# Altium PCB main.PcbDoc
Units mm, origin at the board's own origin, x right, y up, seen from the top; angles counter-clockwise.
Board outline 80 x 70 mm, 2 copper layers (01, 02), stack 1.57 mm thick; 88 components, 58 nets, 259 pads, 156 vias.
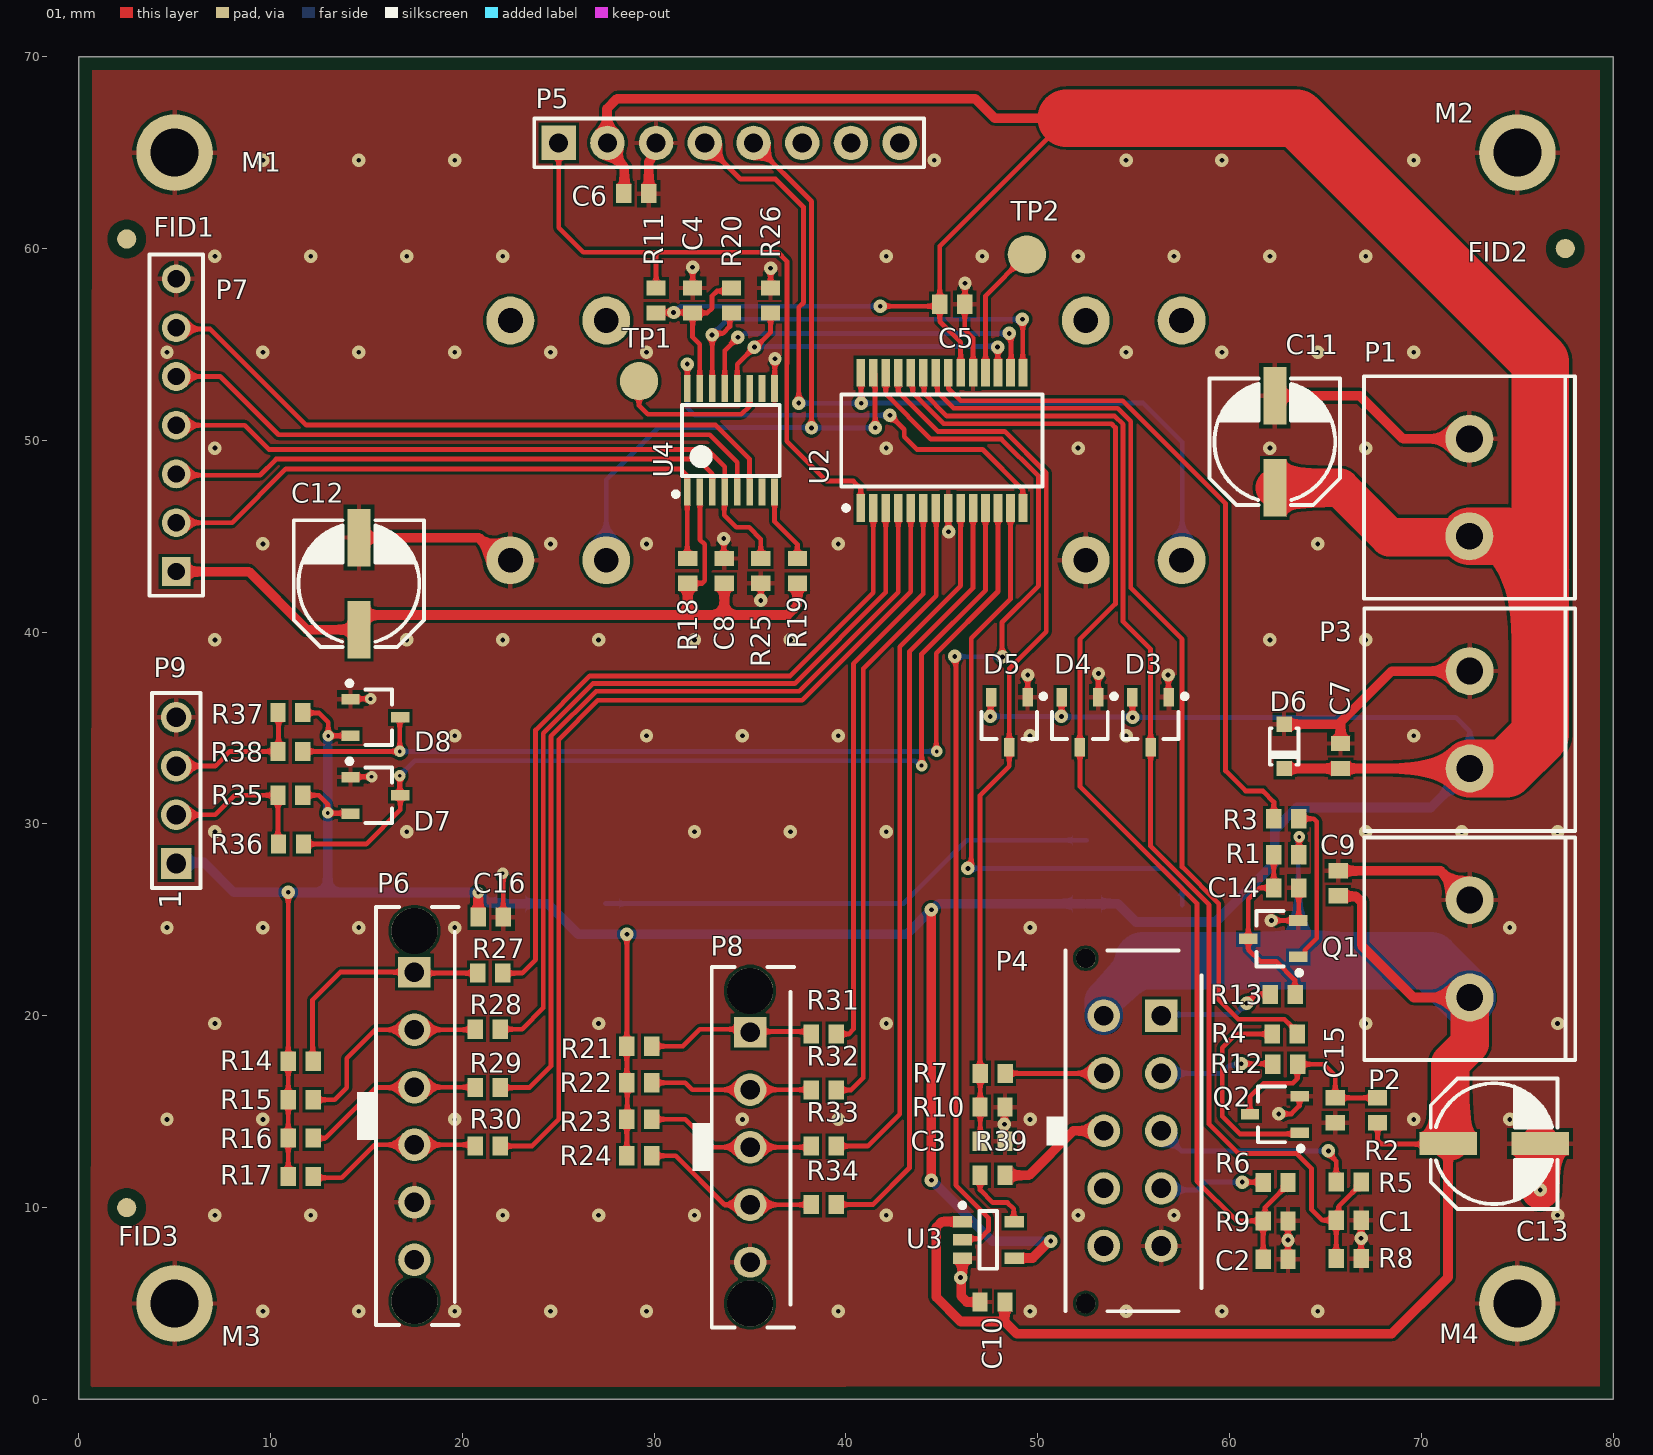
[diagram p0: 01 view]
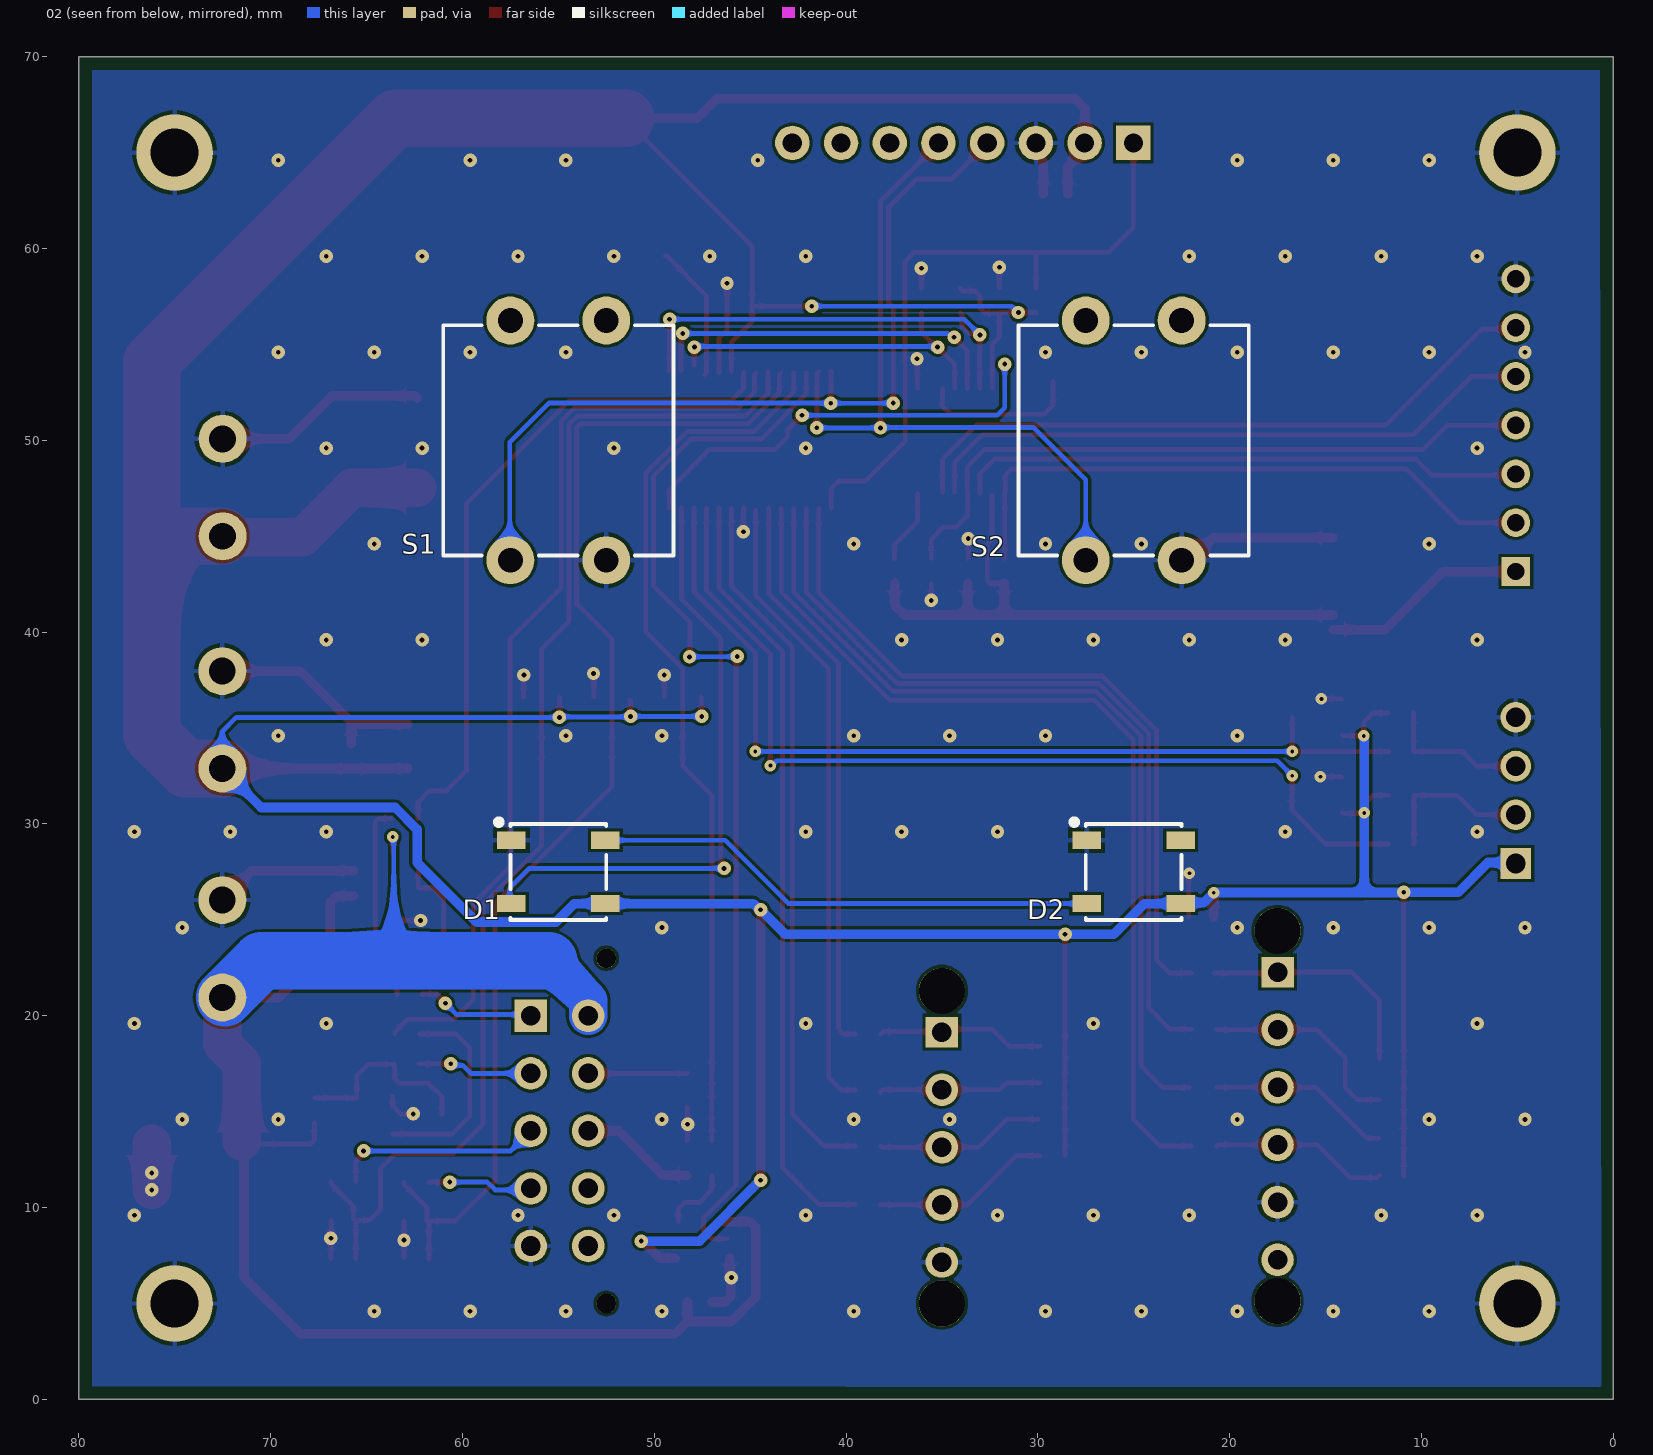
[diagram p1: 02 view, seen from below]
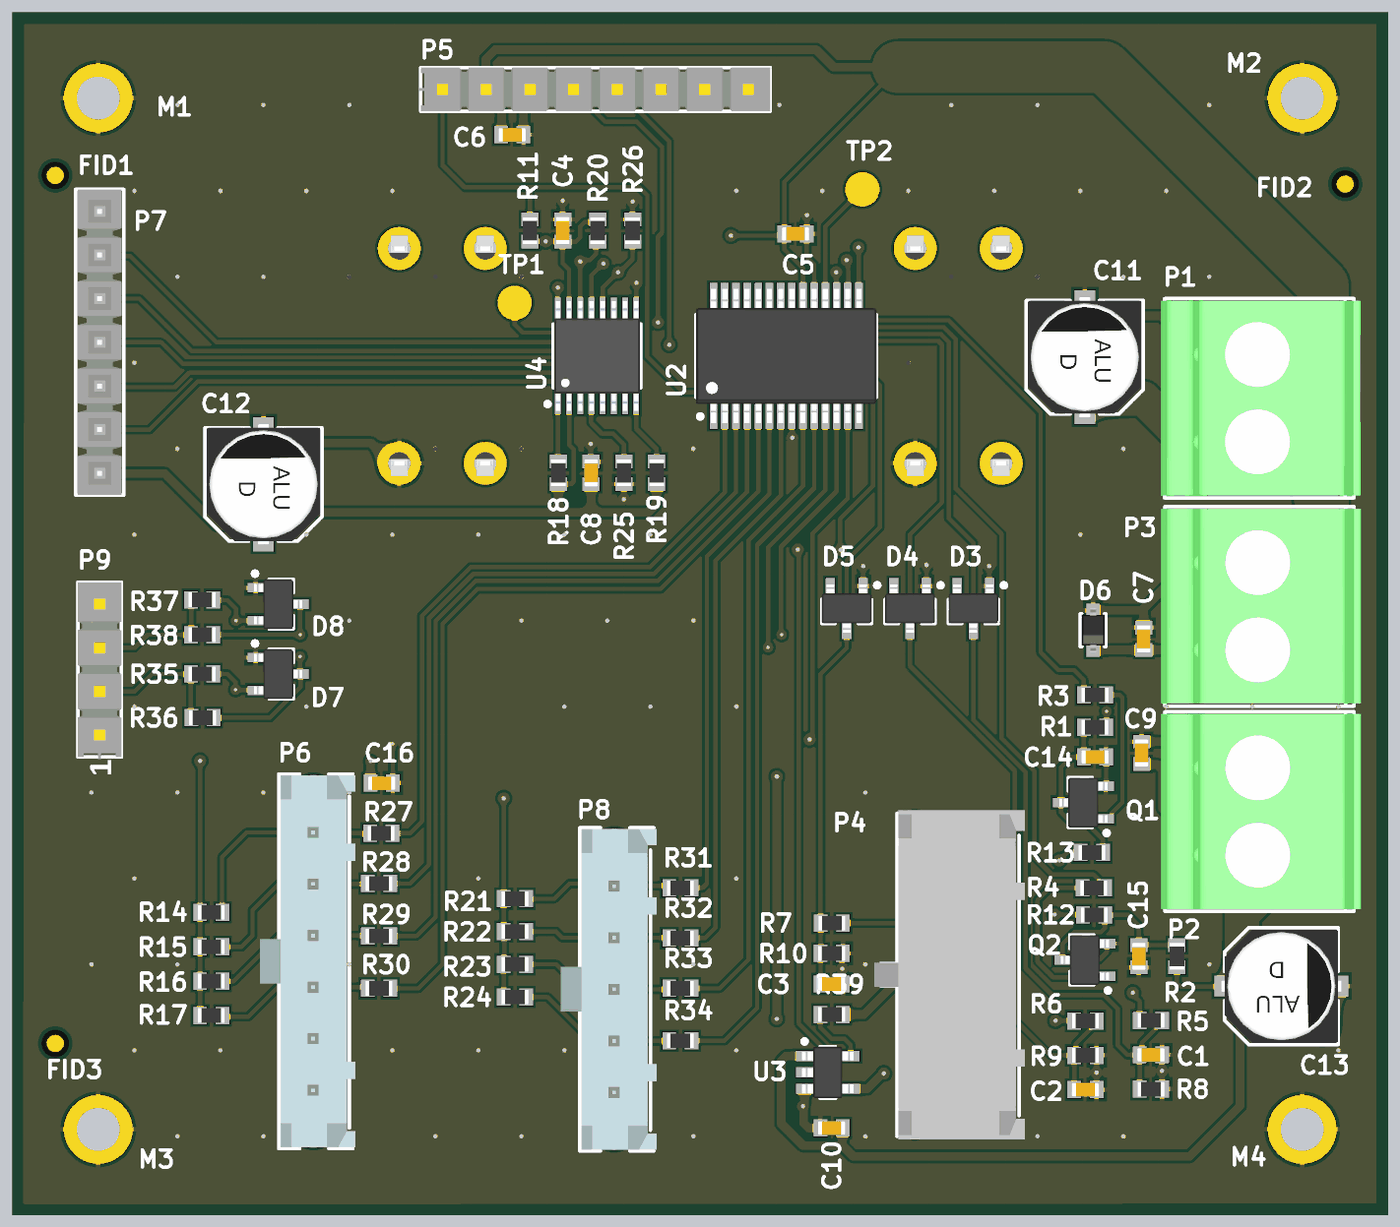
[diagram p2: 3D render of the assembled board from above, using the file's embedded part models]
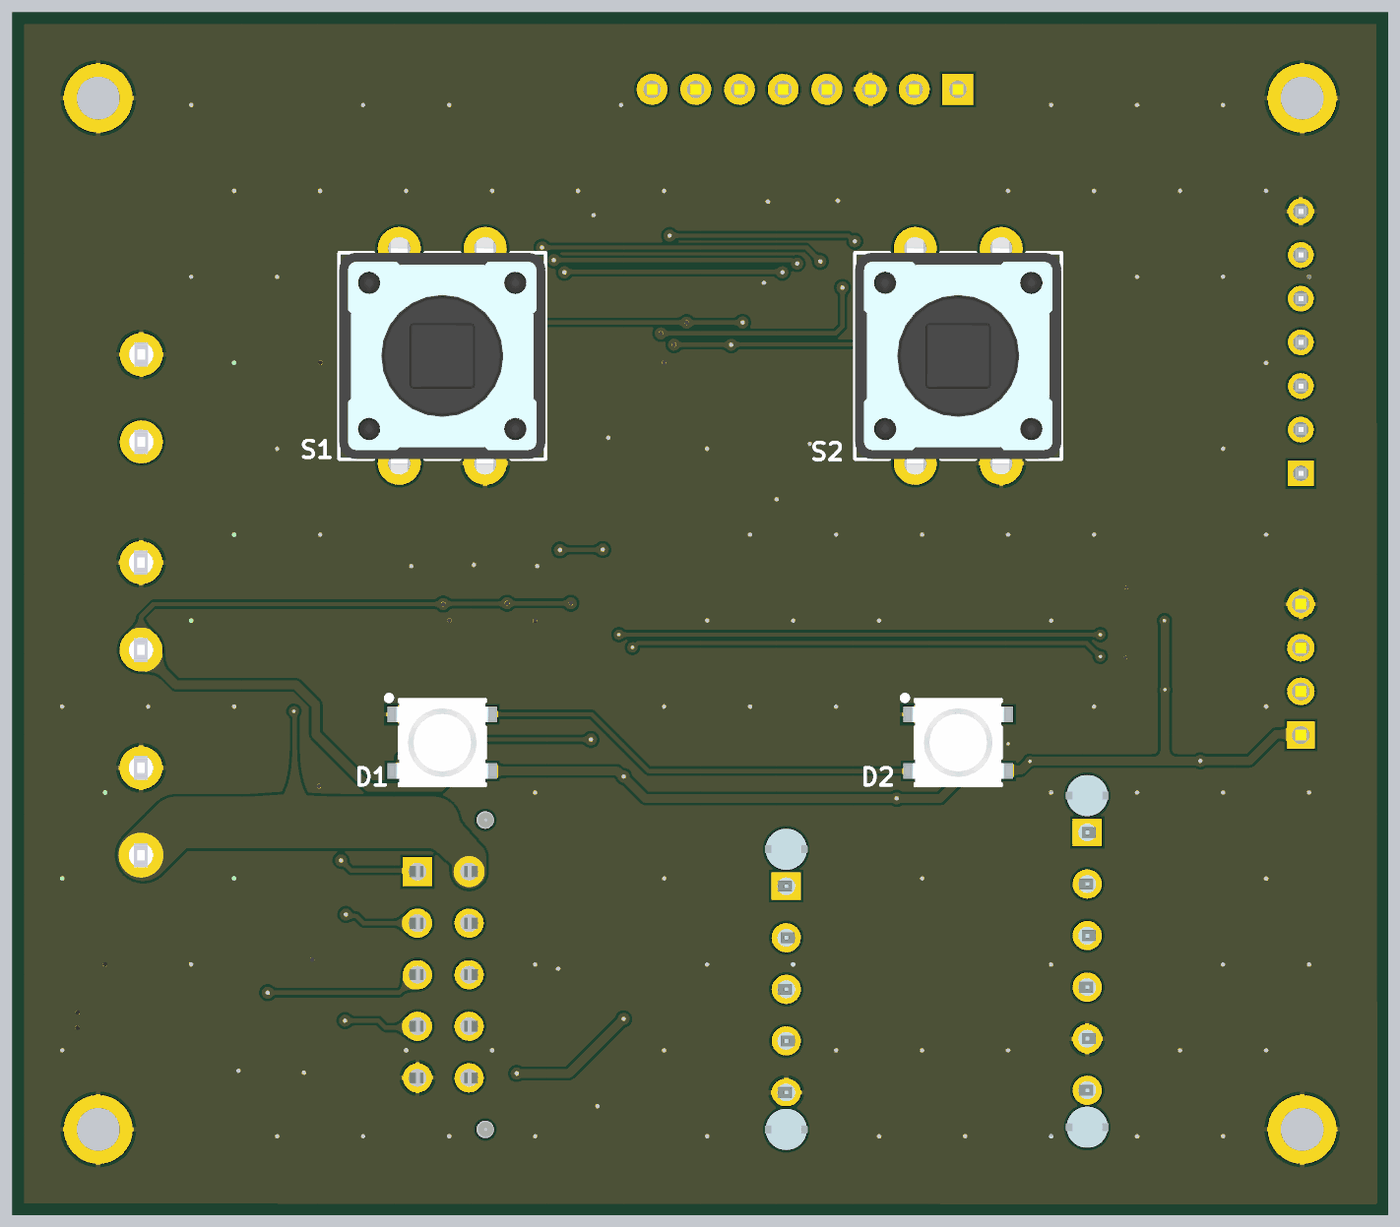
[diagram p3: 3D render of the assembled board from below, using the file's embedded part models]

## Layer stack, top to bottom
Top Solder: solder mask 0.0102, Solder Resist, Dk 3.5
01: signal copper 0.035
Dielectric2: core 1.5, FR-4, Dk 4.8
02: signal copper 0.035
Bottom Solder: solder mask 0.0102, Solder Resist, Dk 3.5

## Board outline
0,0 0,70 80,70 80,0

## Design rules (kind name [scope] priority, off if disabled: settings)
AcuteAngle [All] p1: minimum=6.00000000000000E+0001 checktracksonly=FALSE
BoardOutlineClearance BoardOutlineClearance_Routing_in [OnMid] p1 off: gap=0.4 ignorepadtopadclearanceinfootprint=FALSE
BoardOutlineClearance BoardOutlineClearance_Routing_out [OnOutside] p2 off: gap=0.25 ignorepadtopadclearanceinfootprint=FALSE
BoardOutlineClearance BoardOutlineClearance_Vcut [All] p3: gap=0.45 ignorepadtopadclearanceinfootprint=FALSE except(0: Arc-SplitContinuation Track-SplitContinuation SMDPad-SplitContinuation THPad-SplitContinuation Via-SplitContinuation Fill-SplitContinuation Poly-SplitContinuation Region-SplitContinuation Text-SplitContinuation)
Clearance Clearance_Fid_1mm [HasFootprint ('FIDUCIAL1MM')] p1: gap=0.5 ignorepadtopadclearanceinfootprint=FALSE except(0: Arc-Hole Track-Hole SMDPad-Hole THPad-Hole Via-Hole Fill-Hole Poly-Hole Region-Hole Text-Hole)
Clearance Clearance_Fid_2mm [HasFootprint ('FIDUCIAL2MM')] p2: gap=0.7 ignorepadtopadclearanceinfootprint=FALSE except(0: Arc-Hole Track-Hole SMDPad-Hole THPad-Hole Via-Hole Fill-Hole Poly-Hole Region-Hole Text-Hole)
Clearance [All] p3: gap=0.15 ignorepadtopadclearanceinfootprint=FALSE
Clearance Clearance_THT_Top_N6 [IsComponentPad And OnTop] p4 off: gap=0 ignorepadtopadclearanceinfootprint=TRUE except(5.5: SMDPad-THPad) // Clearance for 6mm soldering nozzle
Clearance Clearance_THT_Bot_N6 [IsComponentPad And OnBottom] p5: gap=0 ignorepadtopadclearanceinfootprint=TRUE except(5.5: SMDPad-THPad) // Clearance for 6mm soldering nozzle
Clearance Clearance_THT_Top_N4 [IsComponentPad And OnTop] p6 off: gap=0 ignorepadtopadclearanceinfootprint=TRUE except(4.5: SMDPad-THPad) // Clearance for 4mm soldering nozzle
Clearance Clearance_THT_Bot_N4 [IsComponentPad And OnBottom] p7 off: gap=0 ignorepadtopadclearanceinfootprint=TRUE except(4.5: SMDPad-THPad) // Clearance for 4mm soldering nozzle
ComponentClearance [All] p1: gap=0.2 collisioncheckmode=3 verticalgap=0.2 showdistances=FALSE
FabricationTestPointUsage TestPointUsage [All] p1: valid=0 allowmultiple=FALSE
FabricationTestpoint Testpoint [All] p1: side=3 testpointundercomponent=TRUE minsize=1.016 maxsize=2.54 preferedsize=1.524 minholesize=0 maxholesize=1.016 preferedholesize=0.813 testpointgrid=0.025 allowsidetop=TRUE allowsidebottom=TRUE usegrid=TRUE gridtolerance=0
Height [All] p1: minheight=0 maxheight=50 prefheight=10
HoleSize HoleSize_uVia [IsMicroVia] p1: absolutevalues=TRUE maxlimit=0.2 minlimit=0.1 maxpercent=80.000 minpercent=20.000
HoleSize HoleSize_Via [IsVia] p2: absolutevalues=TRUE maxlimit=0.3 minlimit=0.2 maxpercent=80.000 minpercent=20.000
HoleSize [All] p3: absolutevalues=TRUE maxlimit=10 minlimit=0.3 maxpercent=80.000 minpercent=20.000
HoleToHoleClearance [All] p1: gap=0.25 allowstackedmicrovias=TRUE
MinimumAnnularRing MinimumAnnularRing_uVia [IsMicroVia] p1: minimumring=0.175
MinimumAnnularRing MinimumAnnularRing_Via [IsVia] p2: minimumring=0.2
MinimumAnnularRing [All] p3: minimumring=0.2
MinimumSolderMaskSliver [All] p1 off: minsoldermaskwidth=0.075
PlaneClearance [All] p1: clearance=0.5
PlaneConnect [All] p1: planeconnectstyle=Relief reliefexpansion=0.5 reliefentries=4 reliefconductorwidth=0.25 reliefairgap=0.25
PolygonConnect PolygonConnect_PADS [All vs (InPadClass('All Pads'))] p1: connectstyle=Relief reliefconductorwidth=0.25 reliefentries=4 polygonreliefangle="90 Angle" airgapwidth=0.2
PolygonConnect PolygonConnect_VIAS [All] p2: connectstyle=Direct reliefconductorwidth=0.25 reliefentries=4 polygonreliefangle="90 Angle" airgapwidth=0.254
RoutingCorners [All] p1: cornerstyle=45-Degree minsetback=2 maxsetback=2
RoutingVias [All] p1: holewidth=0.2 width=0.5 viastyle="Through Hole" minholewidth=0.1 minwidth=0.2 maxholewidth=8 maxwidth=10
SilkToSilkClearance [All] p1: silktosilkclearance=0.25
SilkToSolderMaskClearance SilkscreenOverComponentPads [IsPad] p1: minsilkscreentomaskgap=0 clearancetoexposedcopper=TRUE
SolderMaskExpansion SolderMaskExpansion_Via [IsVia] p1: expansion=0.05 istentingtop=TRUE
SolderMaskExpansion [All] p2: expansion=0.05 istentingtop=FALSE
SupplyNets "Schematic Supply Nets_3" [InNet('P5V')] p1: voltage=0.000
SupplyNets "Schematic Supply Nets_2" [InNet('GND')] p2: voltage=0.000
SupplyNets "Schematic Supply Nets_1" [InNet('P3V3')] p3: voltage=0.000
SupplyNets "Schematic Supply Nets" [InNet('P12V')] p4: voltage=0.000
UnRoutedNet [All] p1: checkbadconnections=TRUE
Width [All] p1: maxlimit=10 minlimit=0.1 preferedwidth=0.15
17 further rules are at their usual default settings.

## Components (designator, comment, footprint, x,y, rotation, side; value= is the part's Value field where it differs from the comment)
C1 "Capacitor Ceramic" C0603 66.206,9.341 r90 top value=100nF
C2 "Capacitor Ceramic" C0603 62.396,7.31 r90 top value=100nF
C3 "Capacitor Ceramic" C0603 47.64,13.462 r90 top value=100nF
C4 "Capacitor Ceramic" C0603 32.004,57.292 r180 top value=100nF
C5 "Capacitor Ceramic" C0603 45.542,57.099 r90 top value=100nF
C6 "Capacitor Ceramic" C0603 29.068,62.865 r90 top value=100nF
C7 "Capacitor Ceramic" C0603 65.786,33.543 r180 top value=100nF
C8 "Capacitor Ceramic" C0603 33.655,43.195 r180 top value=100nF
C9 "Capacitor Ceramic" C0603 65.659,26.909 r180 top value=100nF
C10 "Capacitor Ceramic" C0603 47.64,5.08 r270 top value=100nF
C11 "Capacitor Electrolytic" "ELCO D-PACK" 62.357,49.924 r180 top value=100uF/35V
C12 "Capacitor Electrolytic" "ELCO D-PACK" 14.605,42.532 r180 top value=100uF/35V
C13 "Capacitor Electrolytic" "ELCO D-PACK" 73.787,13.335 r90 top value=100uF/35V
C14 "Capacitor Ceramic" C0603 62.952,26.67 r90 top value=100nF
C15 "Capacitor Ceramic" C0603 65.507,15.073 r0 top value=100nF
C16 "Capacitor Ceramic" C0603 21.478,25.146 r90 top value=100nF
D1 "WS2812B-B" WS2812B-B 55,27.5 r0 bottom value=RGB
D2 "WS2812B-B" WS2812B-B 25,27.5 r0 bottom value=RGB
D3 "DIODE SCHOTTKY DUAL A1K2AK3" SOT23-3 55.88,35.306 r270 top
D4 "DIODE SCHOTTKY DUAL A1K2AK3" SOT23-3 52.197,35.306 r270 top
D5 "DIODE SCHOTTKY DUAL A1K2AK3" SOT23-3 48.514,35.306 r270 top
D6 "DIODE TVS UNIDIR A1K2" SOD-323 62.84,34.043 r180 top
D7 "DIODE SCHOTTKY DUAL A1K2AK3" SOT23-3 15.464,31.496 r0 top
D8 "DIODE SCHOTTKY DUAL A1K2AK3" SOT23-3 15.464,35.56 r0 top
FID1 "Fiducial" FIDUCIAL1MM 2.5,60.5 r90 top
FID2 "Fiducial" FIDUCIAL1MM 77.5,60 r90 top
FID3 "Fiducial" FIDUCIAL1MM 2.5,10 r90 top locked
M1 "PTH" PTH-M2.5-D4.0 5,65 r0 top
M2 "PTH" PTH-M2.5-D4.0 75,65 r0 top
M3 "PTH" PTH-M2.5-D4.0 5,5 r0 top locked
M4 "PTH" PTH-M2.5-D4.0 75,5 r0 top locked
P1 "ScrewTerminal 2p" TERMBLOCK508P-SCREW-2 72.5,47.54 r90 top value=SupplyIn
P2 "ScrewTerminal 2p" TERMBLOCK508P-SCREW-2 72.517,23.495 r90 top value=SupplyOut
P3 "ScrewTerminal 2p" TERMBLOCK508P-SCREW-2 72.517,35.433 r90 top value=PiZeroOut
P4 "SOCKET2X005" "MOLEX 43045-1012" 54.94,14 r90 top value=10p
P5 "HDR8x1" TSW-108-07-F-S 33.909,65.507 r0 top value=Programmer
P6 "SOCKET1X006" "MOLEX 43650-0618" 17.5,14.777 r90 top locked value=6p
P7 "HDR7x1" HDR1X7-P254 5.08,50.79 r90 top value=PiZero
P8 "SOCKET1X005" "MOLEX 43650-0518" 35,13.15 r90 top value=43650-0518
P9 "HDR4x1" TSW-104-06-G-S 5.08,31.75 r90 top value=4p
Q1 "MOSFET N GSD" SOT23-3 62.276,24.018 r180 top
Q2 "MOSFET N GSD" SOT23-3 62.357,14.859 r180 top
R1 "Resistor" R0603 62.952,28.397 r270 top value=47K
R2 "Resistor" R0603 67.716,15.073 r180 top value=47K
R3 "Resistor" R0603 62.956,30.277 r90 top value=10K
R4 "Resistor" R0603 62.88,19.05 r270 top value=10K
R5 "Resistor" R0603 66.206,11.341 r270 top value=10K
R6 "Resistor" R0603 62.396,11.31 r270 top value=10K
R7 "Resistor" R0603 47.65,17 r90 top value=10K
R8 "Resistor" R0603 66.206,7.341 r90 top value=3K9
R9 "Resistor" R0603 62.396,9.31 r90 top value=3K9
R10 "Resistor" R0603 47.64,15.24 r90 top value=3K9
R11 "Resistor" R0603 30.099,57.292 r180 top value=47K
R12 "Resistor" R0603 62.901,17.475 r90 top value=100R
R13 "Resistor" R0603 62.774,21.107 r90 top value=100R
R14 "Resistor" R0603 11.571,17.627 r90 top value=47K
R15 "Resistor" R0603 11.571,15.627 r90 top value=47K
R16 "Resistor" R0603 11.571,13.627 r90 top value=47K
R17 "Resistor" R0603 11.571,11.627 r90 top value=47K
R18 "Resistor" R0603 31.75,43.195 r180 top value=47K
R19 "Resistor" R0603 37.465,43.195 r180 top value=47K
R20 "Resistor" R0603 34.036,57.292 r0 top value=47K
R21 "Resistor" R0603 29.225,18.415 r90 top value=47K
R22 "Resistor" R0603 29.225,16.51 r90 top value=47K
R23 "Resistor" R0603 29.225,14.605 r90 top value=47K
R24 "Resistor" R0603 29.225,12.7 r90 top value=47K
R25 "Resistor" R0603 35.56,43.195 r0 top value=47K
R26 "Resistor" R0603 36.068,57.292 r180 top value=47K
R27 "Resistor" R0603 21.448,22.225 r270 top value=10K
R28 "Resistor" R0603 21.321,19.304 r270 top value=10K
R29 "Resistor" R0603 21.321,16.256 r270 top value=10K
R30 "Resistor" R0603 21.321,13.208 r270 top value=10K
R31 "Resistor" R0603 38.847,19.05 r270 top value=10K
R32 "Resistor" R0603 38.847,16.129 r270 top value=10K
R33 "Resistor" R0603 38.847,13.208 r270 top value=10K
R34 "Resistor" R0603 38.847,10.16 r270 top value=10K
R35 "Resistor" R0603 11.034,31.496 r270 top value=4K7
R36 "Resistor" R0603 11.064,28.956 r270 top value=100R
R37 "Resistor" R0603 11.034,35.814 r270 top value=4K7
R38 "Resistor" R0603 11.034,33.782 r270 top value=100R
R39 "Resistor" R0603 47.64,11.684 r270 top value=100R
S1 "WE-TATV" WE-TATV 55,50 r270 bottom
S2 "WE-TATV" WE-TATV 25,50 r270 bottom
TP1 "Testpoint" TESTPAD_R2 29.21,53.086 r0 top
TP2 "Testpoint" TESTPAD_R2 49.428,59.69 r0 top
U2 "PIC16F18056-ISS" TSOP065P07.80X10.20X02.00-28 45,50 r90 top value=PIC16F18056-I/SS
U3 "FAN3111E" SOT23-5 47.418,8.316 r0 top value=FAN3111ESX
U4 "TXB0106" TSOP065P05.00X06.40X01.20-16 34,50 r90 top
